# Altium PCB higgs.PcbDoc (part 1 of 25) (continued)
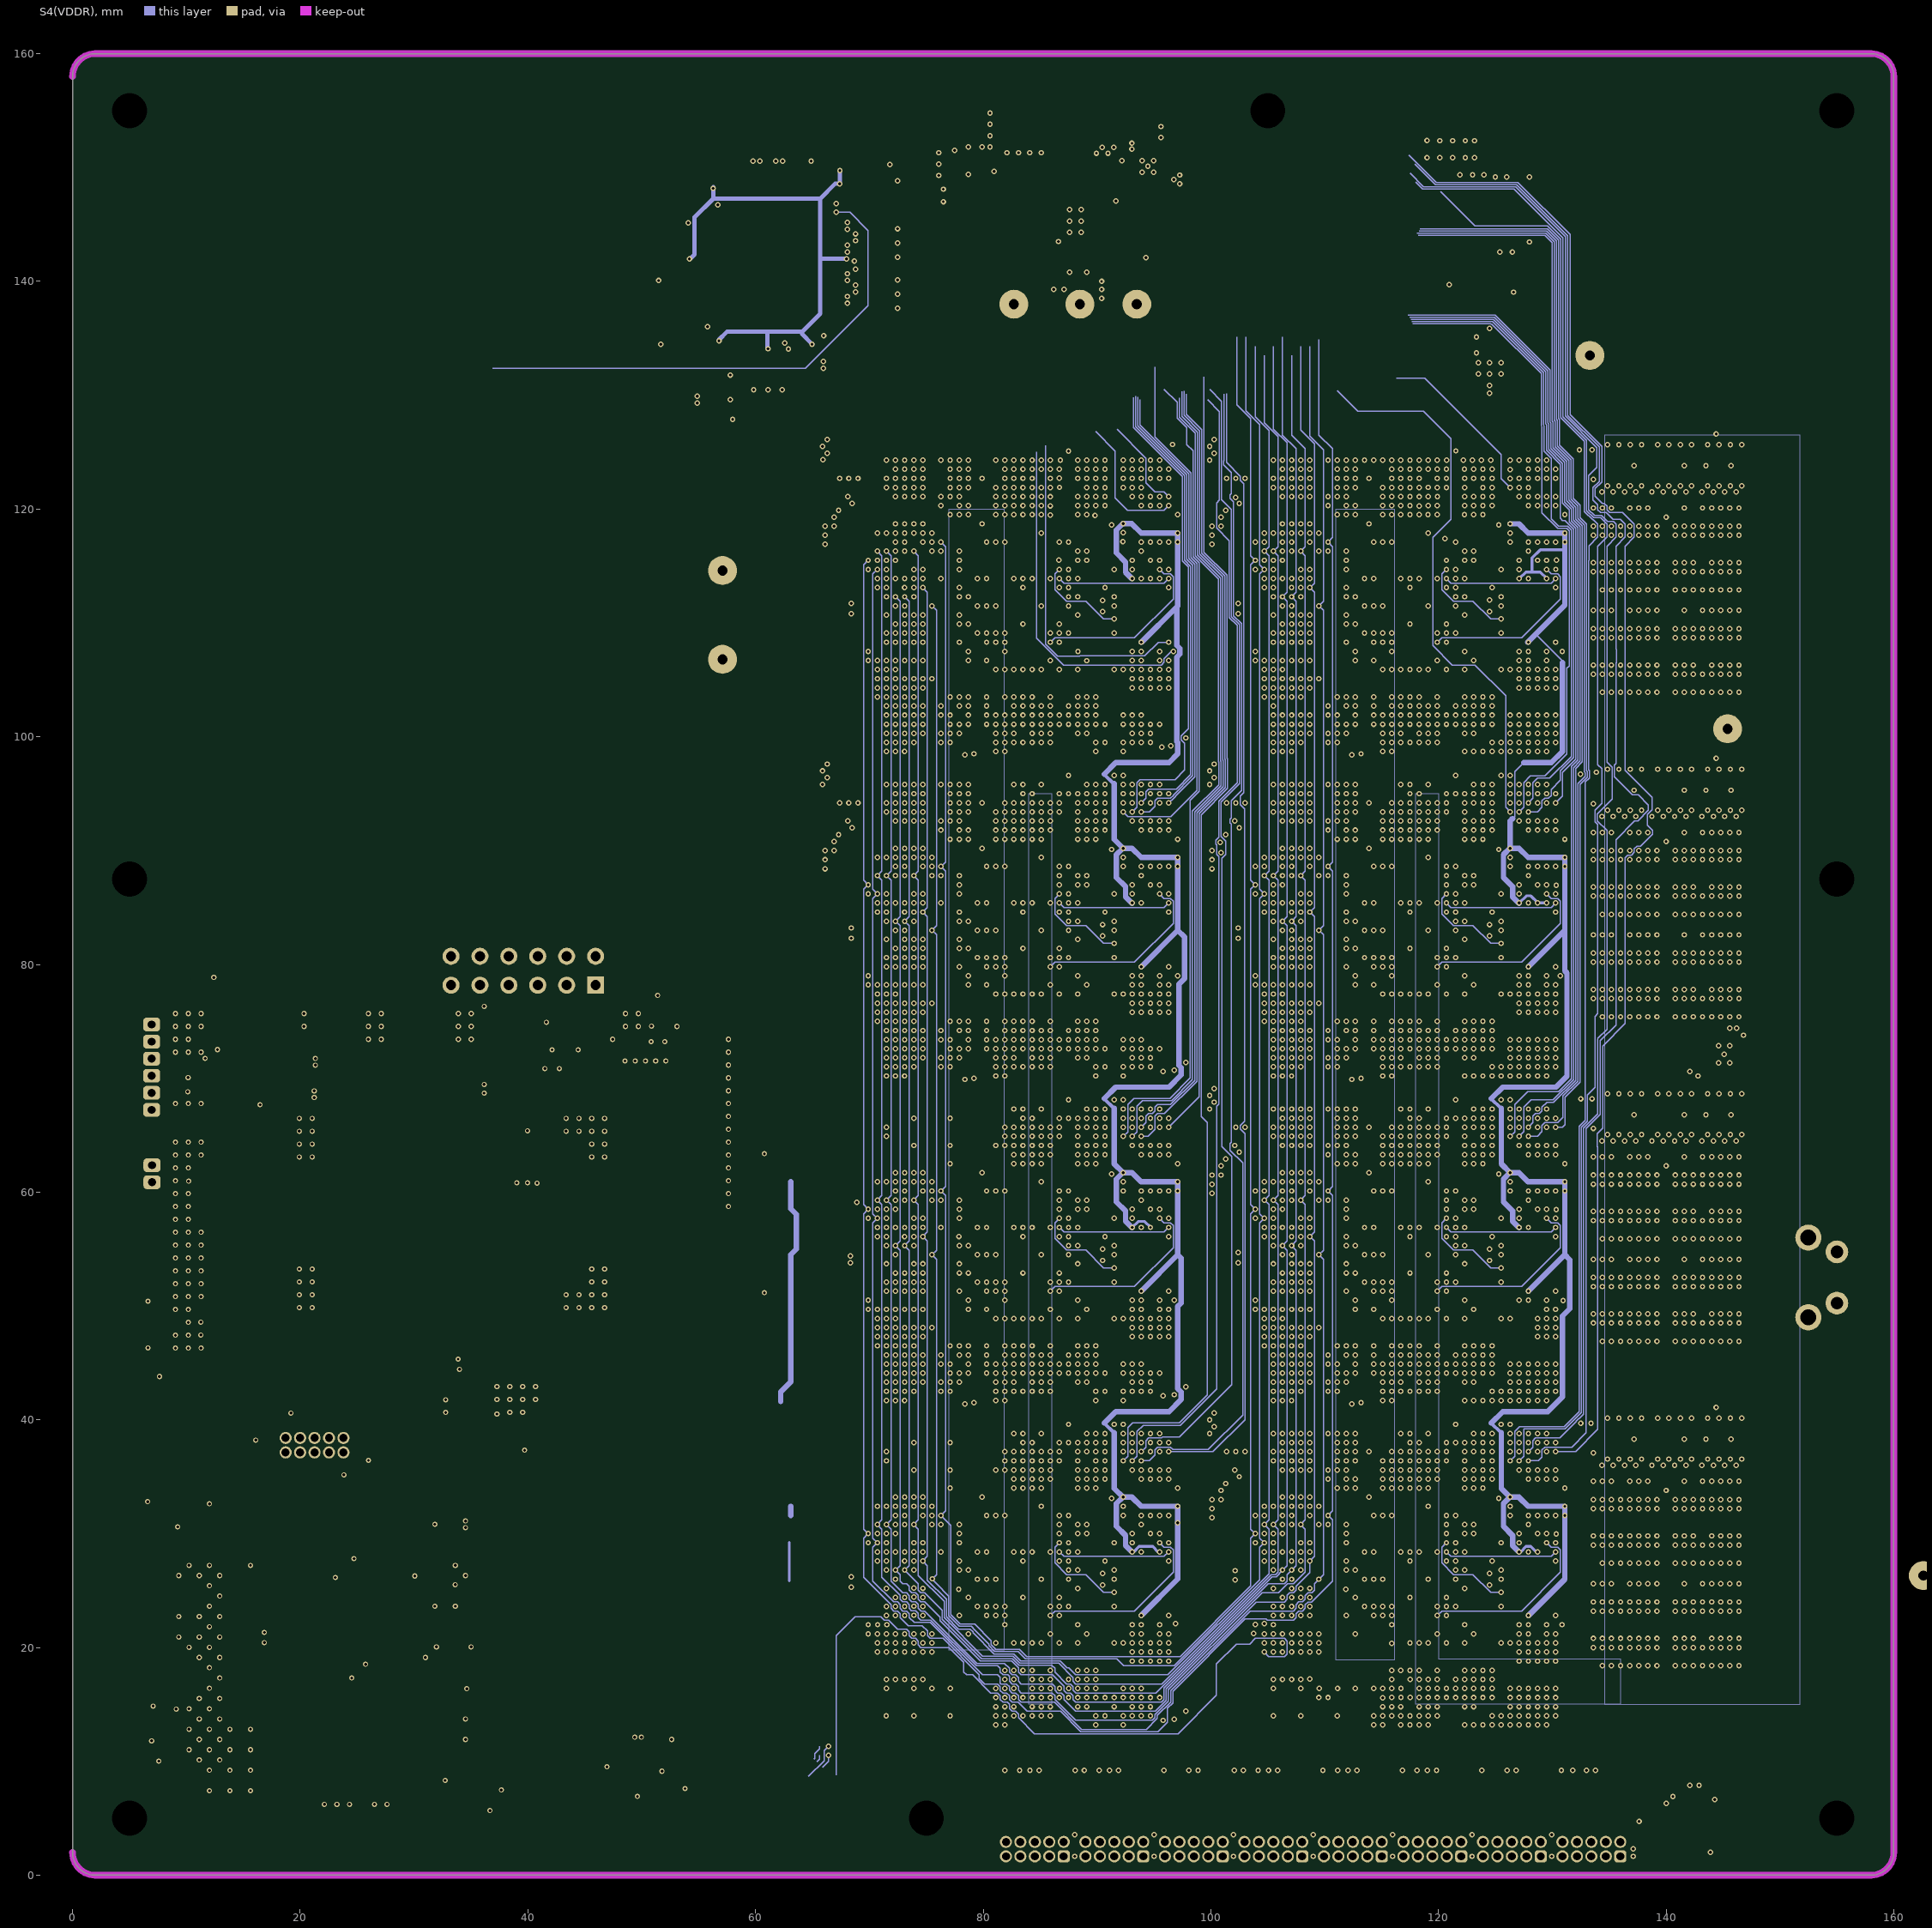
[diagram p8: S4(VDDR)]
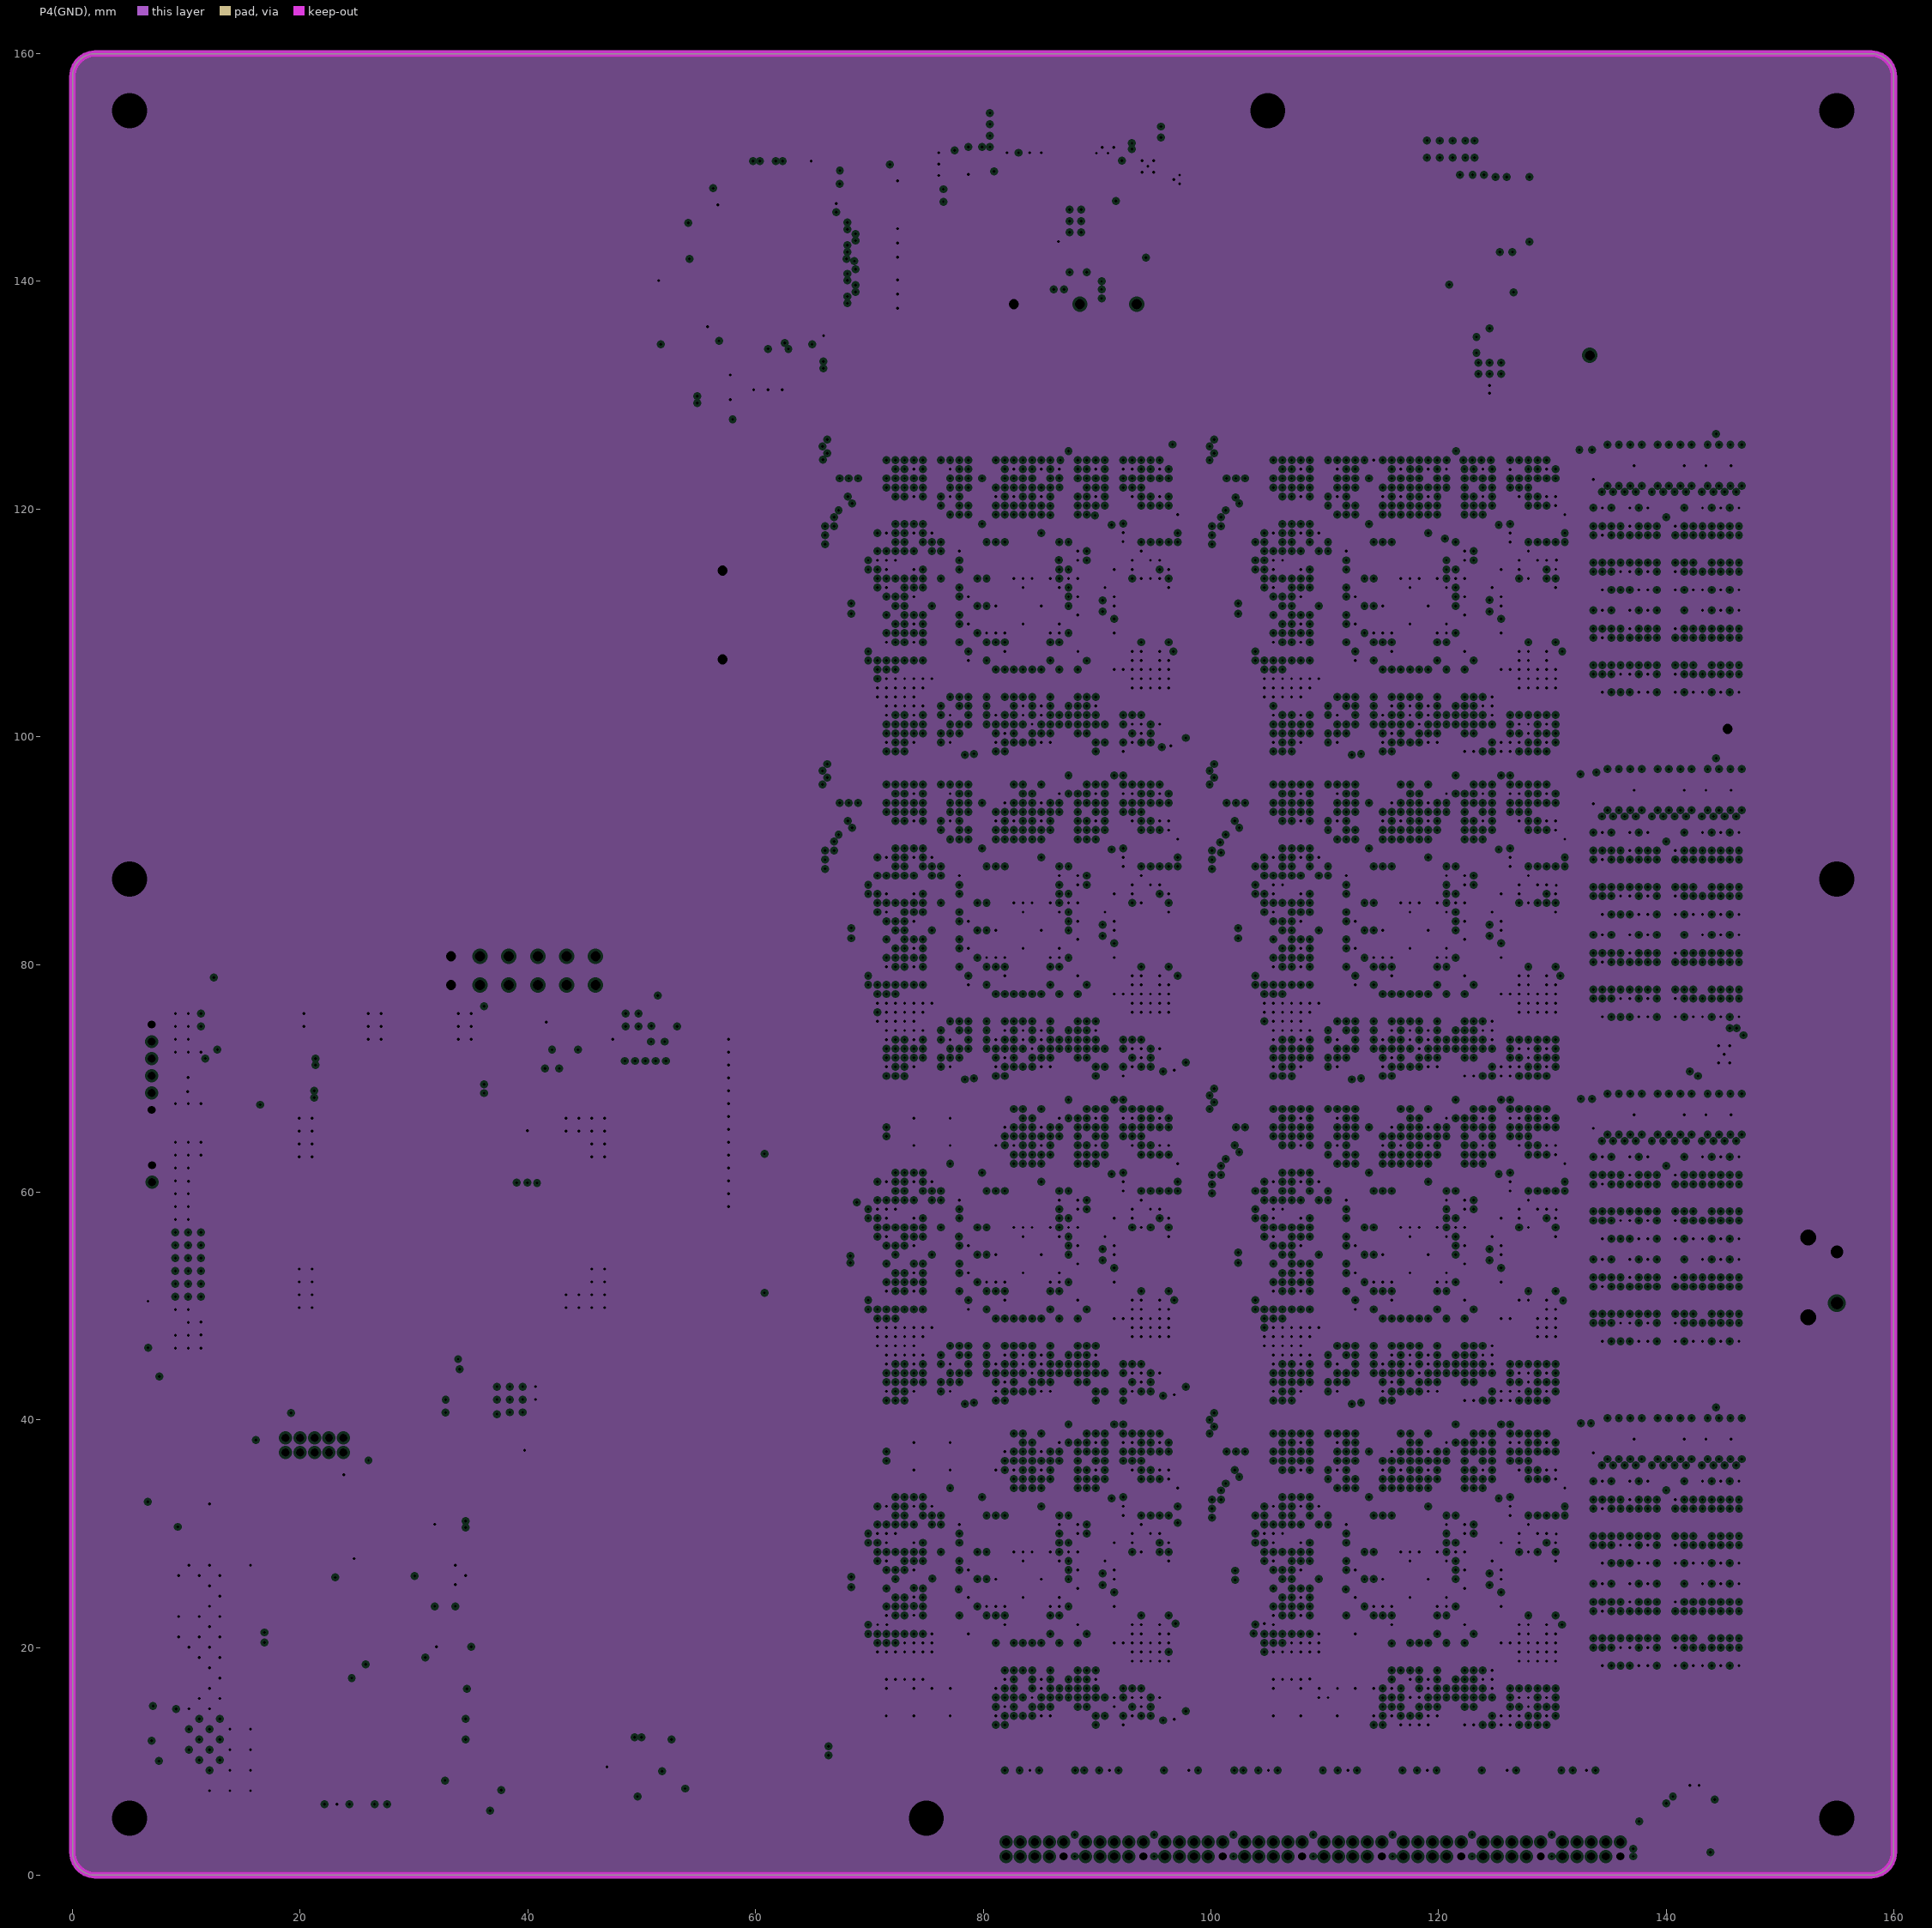
[diagram p9: P4(GND), clearances drawn from the general rule]
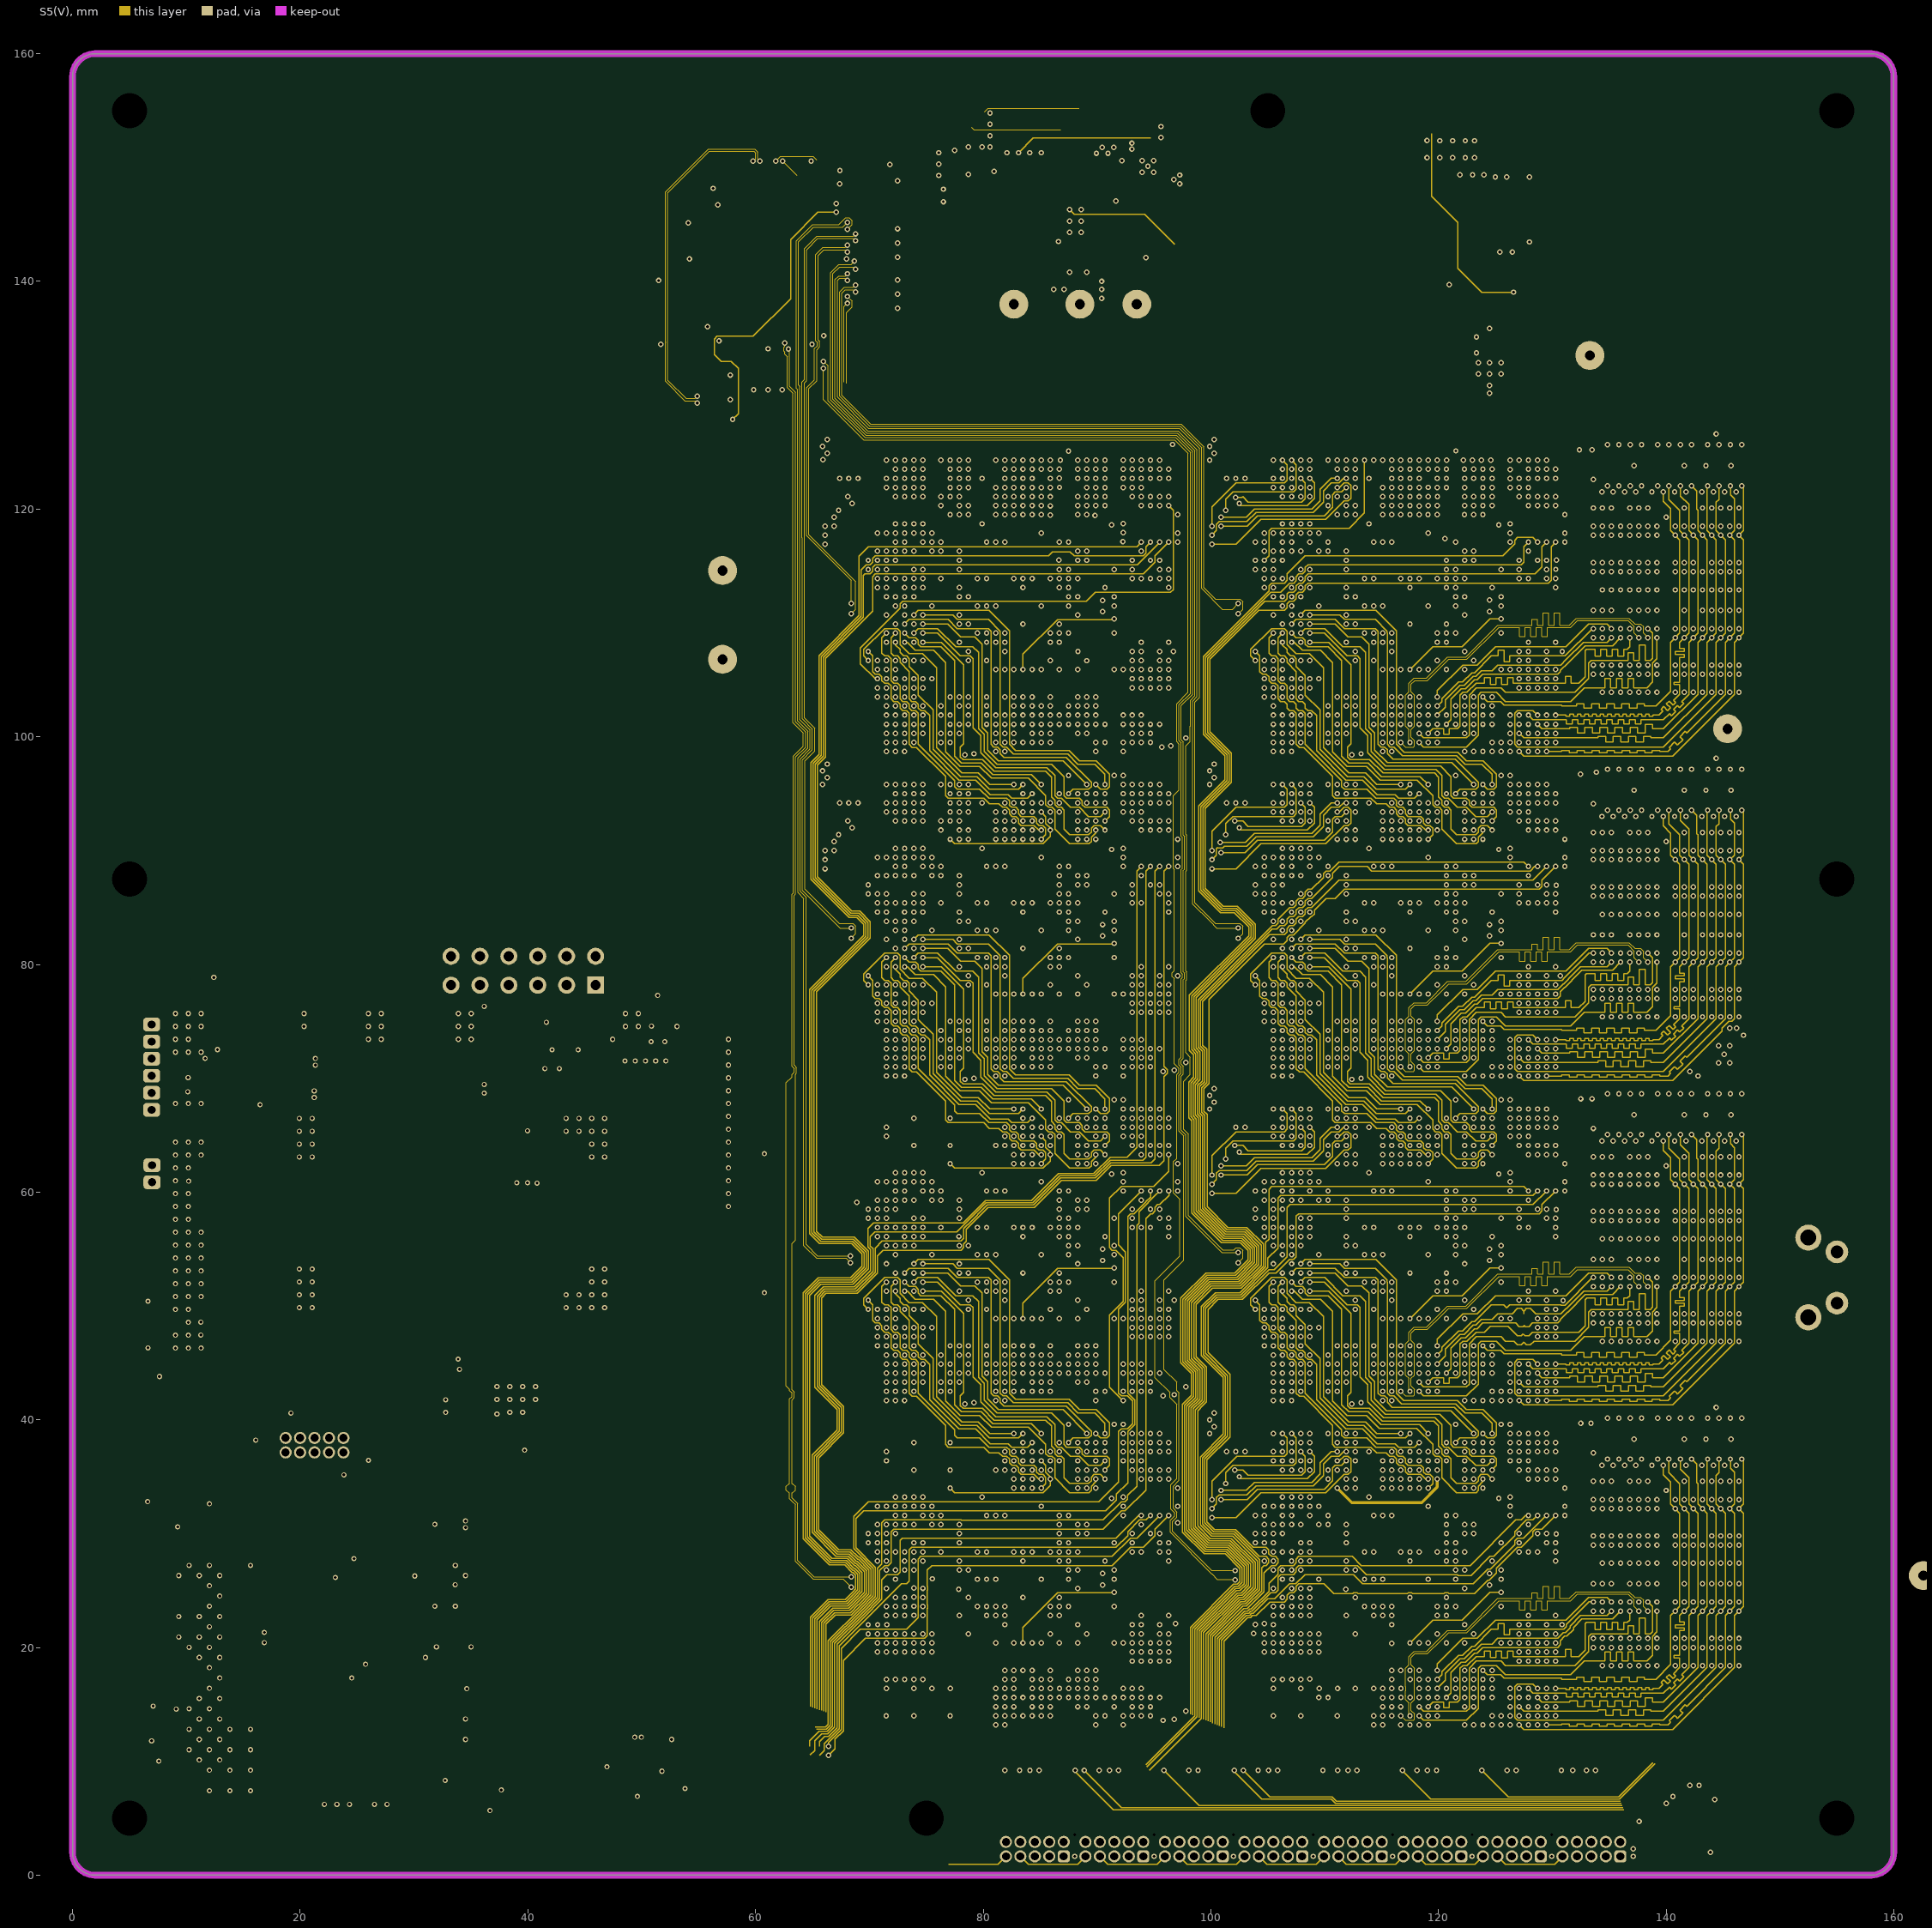
[diagram p10: S5(V)]
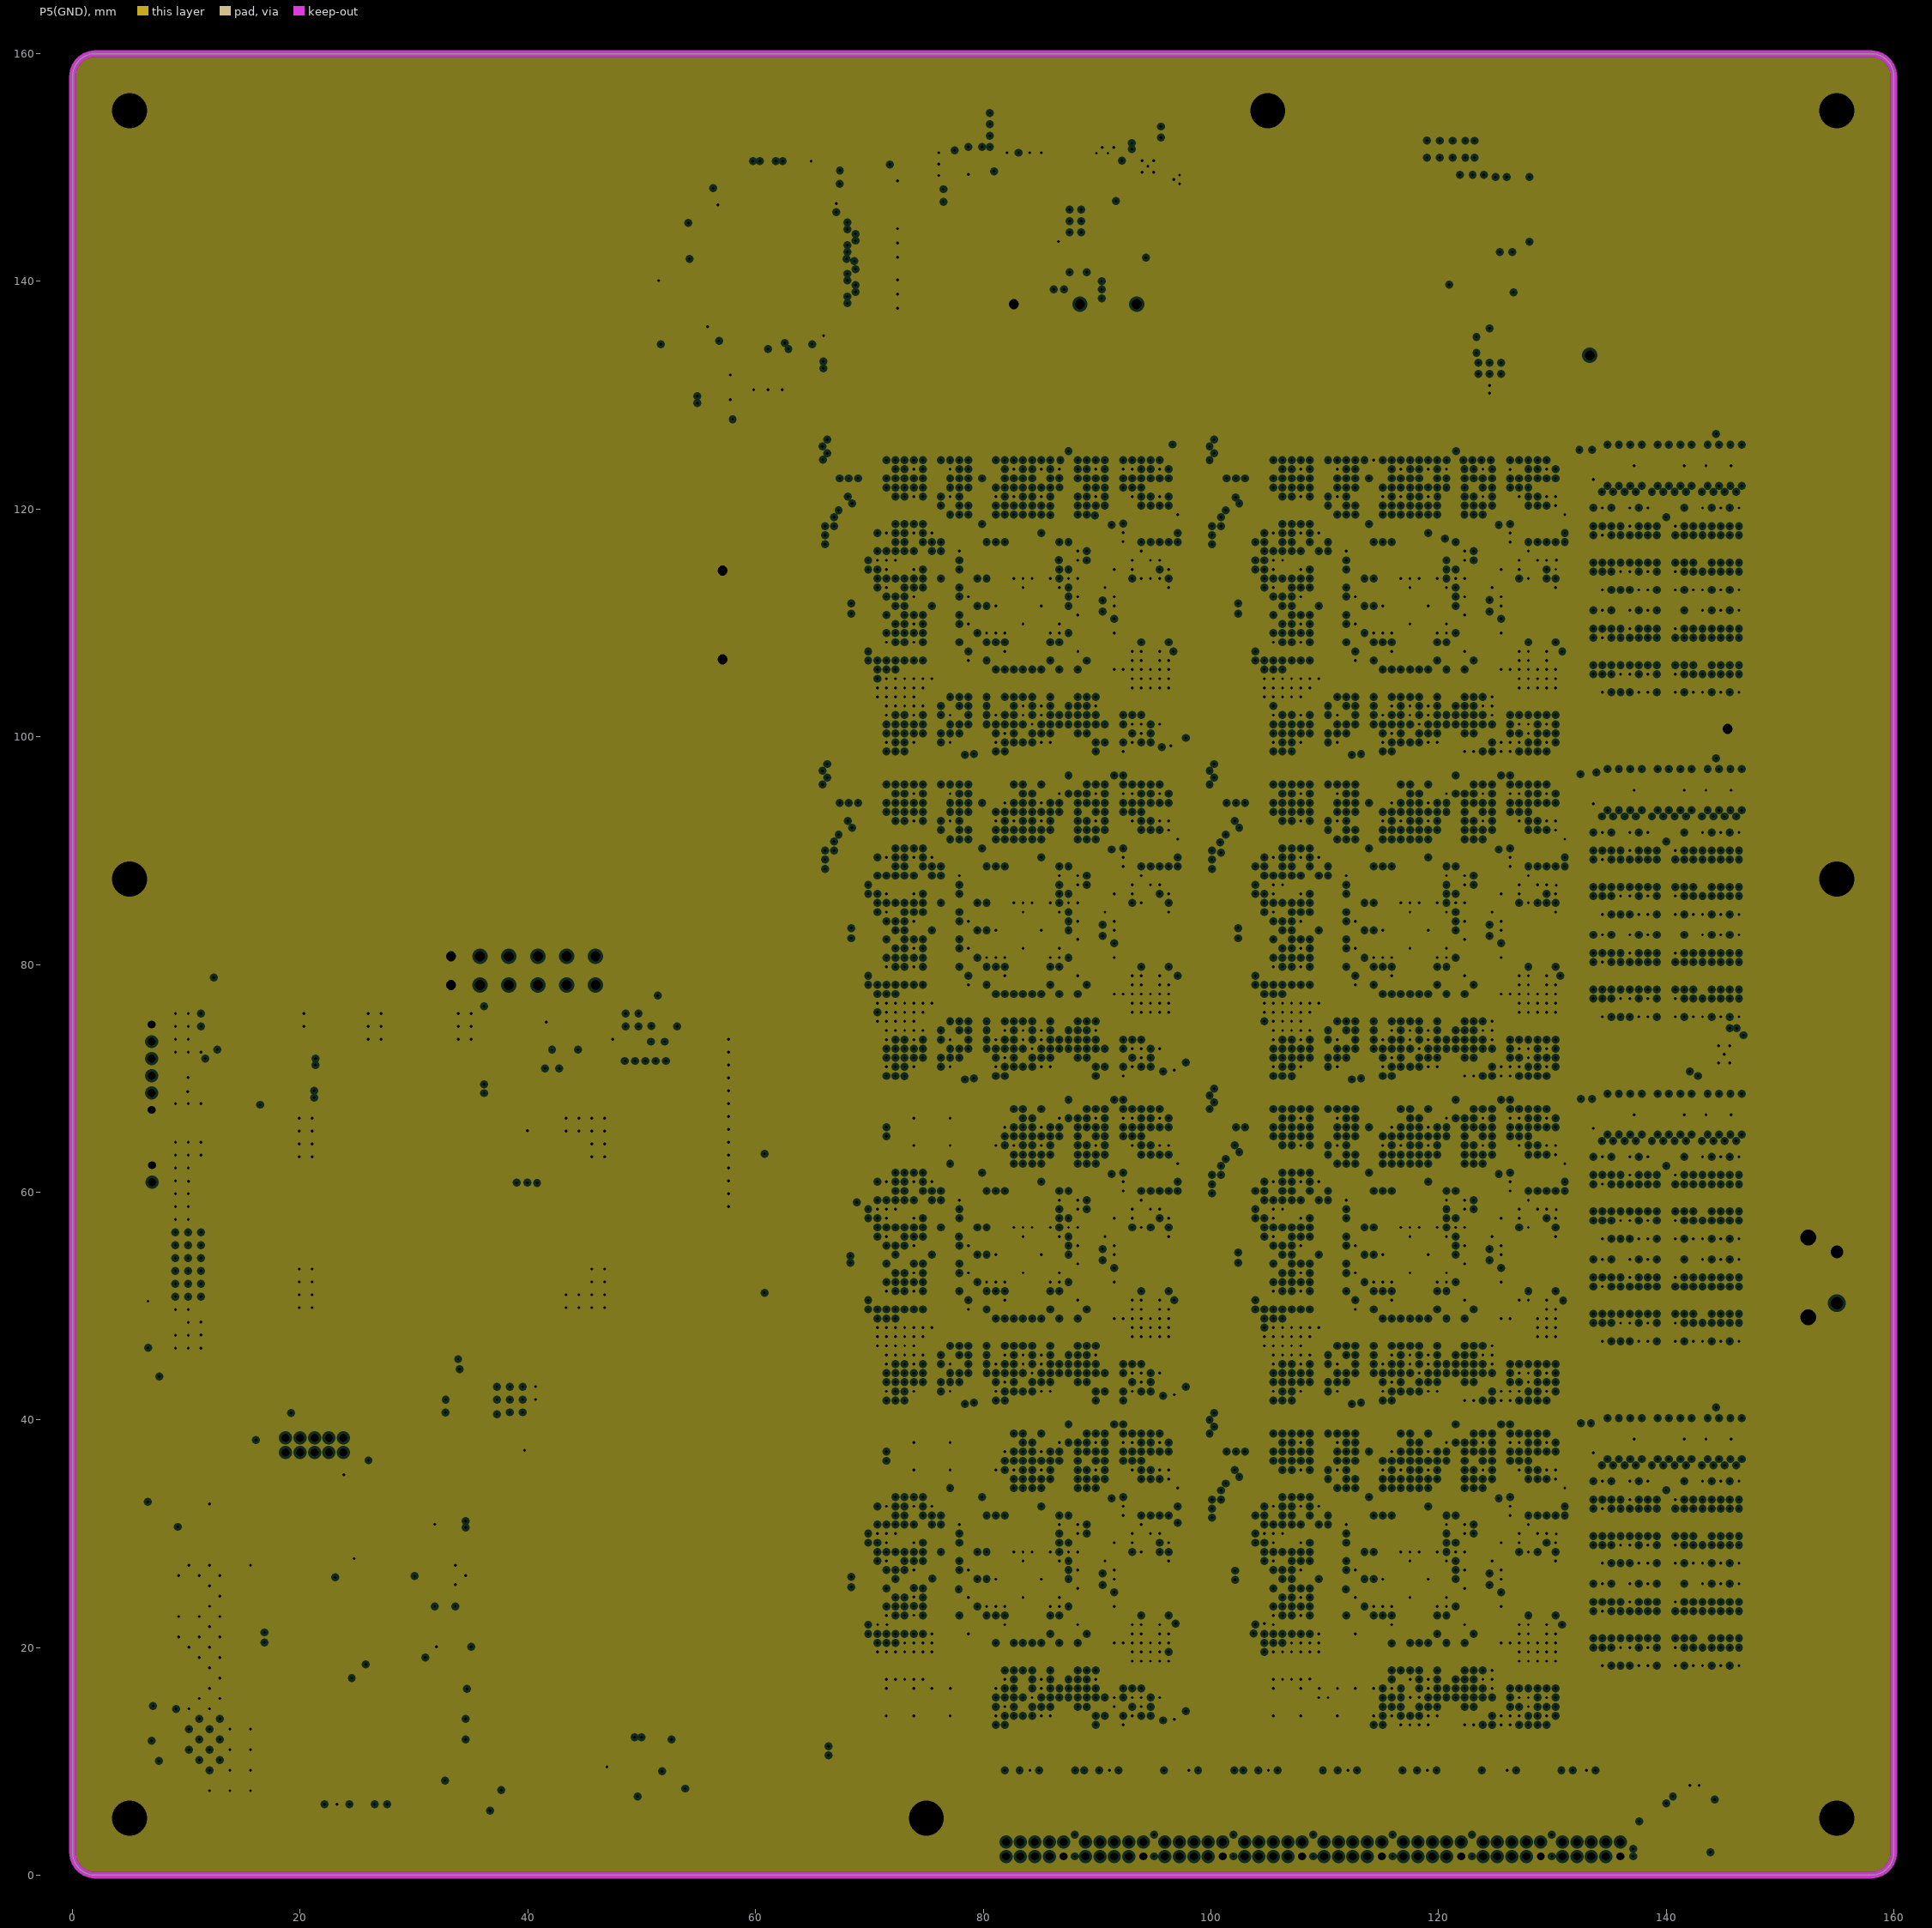
[diagram p11: P5(GND), clearances drawn from the general rule]